# KiCad board Parallel.kicad_pcb (continued)
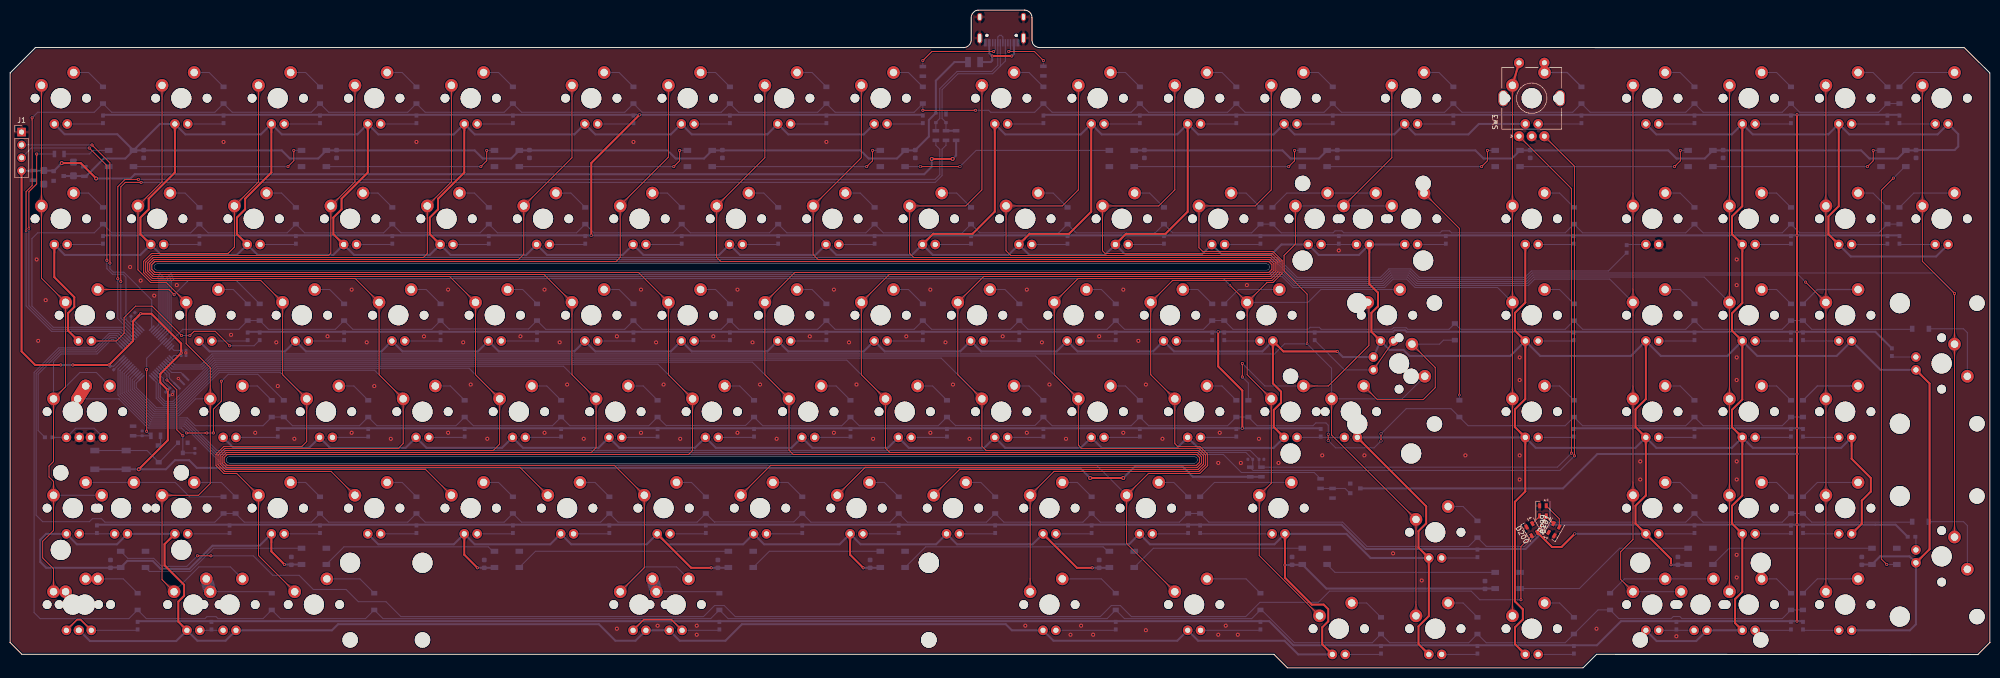
[diagram p0: board, top side]
## Copper pours and planes (outline as drawn; the poured copper is in the pictures) (continued)
Col1 on Bottom: 36.75,53.04 36.83,53.04 36.9,53.04 36.97,53.03 37.04,53.03 37.12,53.02 37.19,53.01 37.26,53 37.32,52.99 37.39,52.97 37.46,52.96 37.53,52.94 37.59,52.92 37.66,52.9 37.72,52.87 37.78,52.85 37.85,52.82 37.91,52.79 37.97,52.76 38.03,52.73 38.09,52.7 38.15,52.66 38.2,52.63 38.26,52.59 38.32,52.55 38.37,52.5 38.43,52.46 38.48,52.41 38.53,52.37 38.58,52.32 38.63,52.27 40.15,53.14 38.63,54.02 38.58,53.97 38.53,53.92 38.48,53.87 38.43,53.82 38.37,53.78 38.32,53.74 38.26,53.7 38.2,53.66 38.15,53.62 38.09,53.59 38.03,53.55 37.97,53.52 37.91,53.49 37.85,53.46 37.78,53.44 37.72,53.41 37.66,53.39 37.59,53.37 37.53,53.35 37.46,53.33 37.39,53.31 37.32,53.3 37.26,53.28 37.19,53.27 37.12,53.26 37.04,53.26 36.97,53.25 36.9,53.25 36.83,53.24 36.75,53.24
Col2 on Top: 49.15,31.32 49.15,31.39 49.16,31.46 49.16,31.54 49.17,31.61 49.17,31.68 49.18,31.75 49.19,31.82 49.21,31.89 49.22,31.96 49.24,32.02 49.26,32.09 49.28,32.16 49.3,32.22 49.32,32.29 49.35,32.35 49.37,32.41 49.4,32.47 49.43,32.53 49.46,32.59 49.5,32.65 49.53,32.71 49.57,32.77 49.61,32.82 49.65,32.88 49.69,32.94 49.73,32.99 49.78,33.04 49.83,33.1 49.88,33.15 49.93,33.2 49.05,34.72 48.18,33.2 48.23,33.15 48.28,33.1 48.32,33.04 48.37,32.99 48.41,32.94 48.46,32.88 48.5,32.82 48.54,32.77 48.57,32.71 48.61,32.65 48.64,32.59 48.67,32.53 48.7,32.47 48.73,32.41 48.76,32.35 48.78,32.29 48.81,32.22 48.83,32.16 48.85,32.09 48.87,32.02 48.88,31.96 48.9,31.89 48.91,31.82 48.92,31.75 48.93,31.68 48.94,31.61 48.94,31.54 48.95,31.46 48.95,31.39 48.95,31.32
Col2 on Top: 54.16,16.93 54.21,16.88 54.26,16.83 54.31,16.77 54.36,16.72 54.4,16.66 54.45,16.6 54.49,16.55 54.53,16.49 54.57,16.43 54.6,16.37 54.64,16.31 54.67,16.25 54.7,16.19 54.73,16.13 54.76,16.07 54.78,16 54.8,15.94 54.83,15.88 54.85,15.81 54.86,15.75 54.88,15.68 54.89,15.61 54.91,15.54 54.92,15.48 54.93,15.41 54.93,15.34 54.94,15.27 54.94,15.2 54.95,15.13 54.95,15.05 56.64,14.6 56.18,16.29 56.11,16.29 56.04,16.29 55.97,16.3 55.9,16.3 55.83,16.31 55.76,16.32 55.69,16.33 55.63,16.34 55.56,16.36 55.49,16.37 55.43,16.39 55.36,16.41 55.3,16.43 55.23,16.46 55.17,16.48 55.11,16.51 55.05,16.54 54.99,16.57 54.93,16.6 54.87,16.64 54.81,16.67 54.75,16.71 54.69,16.75 54.63,16.79 54.58,16.83 54.52,16.88 54.47,16.92 54.41,16.97 54.36,17.02 54.3,17.08
Col2 on Top: 47.02,35.98 47.07,35.93 47.12,35.88 47.17,35.82 47.22,35.77 47.26,35.71 47.3,35.65 47.35,35.6 47.39,35.54 47.42,35.48 47.46,35.42 47.49,35.36 47.53,35.3 47.56,35.24 47.58,35.18 47.61,35.12 47.64,35.05 47.66,34.99 47.68,34.93 47.7,34.86 47.72,34.8 47.74,34.73 47.75,34.66 47.76,34.59 47.77,34.53 47.78,34.46 47.79,34.39 47.8,34.32 47.8,34.25 47.8,34.18 47.8,34.1 49.49,33.65 49.04,35.34 48.97,35.34 48.9,35.34 48.83,35.35 48.76,35.35 48.69,35.36 48.62,35.37 48.55,35.38 48.48,35.39 48.41,35.41 48.35,35.42 48.28,35.44 48.22,35.46 48.15,35.48 48.09,35.51 48.03,35.53 47.96,35.56 47.9,35.59 47.84,35.62 47.78,35.65 47.72,35.69 47.66,35.72 47.6,35.76 47.55,35.8 47.49,35.84 47.43,35.88 47.38,35.93 47.32,35.97 47.27,36.02 47.21,36.07 47.16,36.13
Col2 on Top: 58.68,50.37 58.68,50.44 58.68,50.51 58.68,50.59 58.69,50.66 58.7,50.73 58.71,50.8 58.72,50.87 58.73,50.94 58.75,51.01 58.76,51.07 58.78,51.14 58.8,51.21 58.82,51.27 58.85,51.34 58.87,51.4 58.9,51.46 58.93,51.52 58.96,51.58 58.99,51.64 59.02,51.7 59.06,51.76 59.09,51.82 59.13,51.87 59.17,51.93 59.22,51.99 59.26,52.04 59.3,52.09 59.35,52.15 59.4,52.2 59.45,52.25 58.58,53.77 57.7,52.25 57.75,52.2 57.8,52.15 57.85,52.09 57.9,52.04 57.94,51.99 57.98,51.93 58.02,51.87 58.06,51.82 58.1,51.76 58.13,51.7 58.17,51.64 58.2,51.58 58.23,51.52 58.26,51.46 58.28,51.4 58.31,51.34 58.33,51.27 58.35,51.21 58.37,51.14 58.39,51.07 58.41,51.01 58.42,50.94 58.44,50.87 58.45,50.8 58.46,50.73 58.46,50.66 58.47,50.59 58.47,50.51 58.48,50.44 58.48,50.37
Col2 on Top: 49.15,112.28 49.15,112.35 49.16,112.43 49.16,112.5 49.17,112.57 49.17,112.64 49.18,112.71 49.19,112.78 49.21,112.85 49.22,112.92 49.24,112.99 49.26,113.05 49.28,113.12 49.3,113.18 49.32,113.25 49.35,113.31 49.37,113.37 49.4,113.43 49.43,113.5 49.46,113.56 49.5,113.61 49.53,113.67 49.57,113.73 49.61,113.79 49.65,113.84 49.69,113.9 49.73,113.95 49.78,114.01 49.83,114.06 49.88,114.11 49.93,114.16 49.05,115.68 48.18,114.16 48.23,114.11 48.28,114.06 48.32,114.01 48.37,113.95 48.41,113.9 48.46,113.84 48.5,113.79 48.54,113.73 48.57,113.67 48.61,113.61 48.64,113.56 48.67,113.5 48.7,113.43 48.73,113.37 48.76,113.31 48.78,113.25 48.81,113.18 48.83,113.12 48.85,113.05 48.87,112.99 48.88,112.92 48.9,112.85 48.91,112.78 48.92,112.71 48.93,112.64 48.94,112.57 48.94,112.5 48.95,112.43 48.95,112.35 48.95,112.28
Col2 on Top: 46.18,93.28 46.13,93.22 46.07,93.17 46.02,93.12 45.97,93.08 45.91,93.03 45.85,92.99 45.8,92.95 45.74,92.91 45.68,92.87 45.62,92.84 45.56,92.8 45.5,92.77 45.44,92.74 45.38,92.71 45.31,92.68 45.25,92.66 45.19,92.63 45.12,92.61 45.06,92.59 44.99,92.57 44.93,92.56 44.86,92.54 44.79,92.53 44.72,92.52 44.66,92.51 44.59,92.5 44.52,92.5 44.45,92.49 44.37,92.49 44.3,92.49 43.85,90.8 45.54,91.25 45.54,91.33 45.54,91.4 45.55,91.47 45.55,91.54 45.56,91.61 45.57,91.68 45.58,91.74 45.59,91.81 45.61,91.88 45.62,91.95 45.64,92.01 45.66,92.08 45.68,92.14 45.71,92.2 45.73,92.27 45.76,92.33 45.79,92.39 45.82,92.45 45.85,92.51 45.88,92.57 45.92,92.63 45.96,92.69 46,92.75 46.04,92.8 46.08,92.86 46.13,92.92 46.17,92.97 46.22,93.03 46.27,93.08 46.32,93.13
Col2 on Top: 53.91,69.42 53.92,69.49 53.92,69.56 53.92,69.64 53.93,69.71 53.94,69.78 53.95,69.85 53.96,69.92 53.97,69.99 53.98,70.06 54,70.12 54.02,70.19 54.04,70.26 54.06,70.32 54.08,70.39 54.11,70.45 54.14,70.51 54.16,70.57 54.19,70.63 54.23,70.69 54.26,70.75 54.29,70.81 54.33,70.87 54.37,70.92 54.41,70.98 54.45,71.04 54.5,71.09 54.54,71.14 54.59,71.2 54.64,71.25 54.69,71.3 53.81,72.82 52.94,71.3 52.99,71.25 53.04,71.2 53.09,71.14 53.13,71.09 53.18,71.04 53.22,70.98 53.26,70.92 53.3,70.87 53.34,70.81 53.37,70.75 53.4,70.69 53.44,70.63 53.47,70.57 53.49,70.51 53.52,70.45 53.55,70.39 53.57,70.32 53.59,70.26 53.61,70.19 53.63,70.12 53.65,70.06 53.66,69.99 53.67,69.92 53.68,69.85 53.69,69.78 53.7,69.71 53.71,69.64 53.71,69.56 53.71,69.49 53.71,69.42
Col2 on Top: 56.54,55.03 56.6,54.98 56.65,54.93 56.69,54.87 56.74,54.82 56.79,54.76 56.83,54.7 56.87,54.65 56.91,54.59 56.95,54.53 56.98,54.47 57.02,54.41 57.05,54.35 57.08,54.29 57.11,54.23 57.14,54.17 57.16,54.1 57.19,54.04 57.21,53.98 57.23,53.91 57.25,53.85 57.26,53.78 57.28,53.71 57.29,53.64 57.3,53.58 57.31,53.51 57.32,53.44 57.32,53.37 57.33,53.3 57.33,53.23 57.33,53.15 59.02,52.7 58.56,54.39 58.49,54.39 58.42,54.39 58.35,54.4 58.28,54.4 58.21,54.41 58.14,54.42 58.07,54.43 58.01,54.44 57.94,54.46 57.87,54.47 57.81,54.49 57.74,54.51 57.68,54.53 57.62,54.56 57.55,54.58 57.49,54.61 57.43,54.64 57.37,54.67 57.31,54.7 57.25,54.74 57.19,54.77 57.13,54.81 57.07,54.85 57.01,54.89 56.96,54.93 56.9,54.98 56.85,55.02 56.79,55.07 56.74,55.12 56.68,55.18
Col2 on Top: 44.39,88.47 44.39,88.54 44.39,88.61 44.4,88.69 44.4,88.76 44.41,88.83 44.42,88.9 44.43,88.97 44.44,89.04 44.46,89.11 44.48,89.17 44.49,89.24 44.51,89.31 44.54,89.37 44.56,89.44 44.58,89.5 44.61,89.56 44.64,89.62 44.67,89.68 44.7,89.74 44.73,89.8 44.77,89.86 44.81,89.92 44.85,89.97 44.89,90.03 44.93,90.09 44.97,90.14 45.02,90.19 45.06,90.25 45.11,90.3 45.16,90.35 44.29,91.87 43.41,90.35 43.47,90.3 43.51,90.25 43.56,90.19 43.61,90.14 43.65,90.09 43.69,90.03 43.73,89.97 43.77,89.92 43.81,89.86 43.85,89.8 43.88,89.74 43.91,89.68 43.94,89.62 43.97,89.56 44,89.5 44.02,89.44 44.04,89.37 44.07,89.31 44.09,89.24 44.1,89.17 44.12,89.11 44.13,89.04 44.15,88.97 44.16,88.9 44.17,88.83 44.18,88.76 44.18,88.69 44.19,88.61 44.19,88.54 44.19,88.47
Col2 on Top: 51.78,74.08 51.83,74.03 51.88,73.98 51.93,73.92 51.98,73.87 52.02,73.81 52.07,73.75 52.11,73.7 52.15,73.64 52.19,73.58 52.22,73.52 52.26,73.46 52.29,73.4 52.32,73.34 52.35,73.28 52.37,73.22 52.4,73.15 52.42,73.09 52.44,73.03 52.46,72.96 52.48,72.9 52.5,72.83 52.51,72.76 52.53,72.69 52.54,72.63 52.55,72.56 52.55,72.49 52.56,72.42 52.56,72.35 52.56,72.28 52.56,72.2 54.26,71.75 53.8,73.44 53.73,73.44 53.66,73.44 53.59,73.45 53.52,73.45 53.45,73.46 53.38,73.47 53.31,73.48 53.24,73.49 53.18,73.51 53.11,73.52 53.05,73.54 52.98,73.56 52.92,73.58 52.85,73.61 52.79,73.63 52.73,73.66 52.67,73.69 52.6,73.72 52.54,73.75 52.48,73.79 52.43,73.82 52.37,73.86 52.31,73.9 52.25,73.94 52.2,73.98 52.14,74.03 52.08,74.07 52.03,74.12 51.98,74.17 51.92,74.23
Col2 on Bottom: 56.54,55.03 56.6,54.98 56.65,54.93 56.69,54.87 56.74,54.82 56.79,54.76 56.83,54.7 56.87,54.65 56.91,54.59 56.95,54.53 56.98,54.47 57.02,54.41 57.05,54.35 57.08,54.29 57.11,54.23 57.14,54.17 57.16,54.1 57.19,54.04 57.21,53.98 57.23,53.91 57.25,53.85 57.26,53.78 57.28,53.71 57.29,53.64 57.3,53.58 57.31,53.51 57.32,53.44 57.32,53.37 57.33,53.3 57.33,53.23 57.33,53.15 59.02,52.7 58.56,54.39 58.49,54.39 58.42,54.39 58.35,54.4 58.28,54.4 58.21,54.41 58.14,54.42 58.07,54.43 58.01,54.44 57.94,54.46 57.87,54.47 57.81,54.49 57.74,54.51 57.68,54.53 57.62,54.56 57.55,54.58 57.49,54.61 57.43,54.64 57.37,54.67 57.31,54.7 57.25,54.74 57.19,54.77 57.13,54.81 57.07,54.85 57.01,54.89 56.96,54.93 56.9,54.98 56.85,55.02 56.79,55.07 56.74,55.12 56.68,55.18
Col3 on Top: 66.07,35.98 66.12,35.93 66.17,35.88 66.22,35.82 66.27,35.77 66.31,35.71 66.35,35.65 66.4,35.6 66.44,35.54 66.47,35.48 66.51,35.42 66.54,35.36 66.58,35.3 66.61,35.24 66.63,35.18 66.66,35.12 66.69,35.05 66.71,34.99 66.73,34.93 66.75,34.86 66.77,34.8 66.79,34.73 66.8,34.66 66.81,34.59 66.82,34.53 66.83,34.46 66.84,34.39 66.85,34.32 66.85,34.25 66.85,34.18 66.85,34.1 68.54,33.65 68.09,35.34 68.02,35.34 67.95,35.34 67.88,35.35 67.81,35.35 67.74,35.36 67.67,35.37 67.6,35.38 67.53,35.39 67.46,35.41 67.4,35.42 67.33,35.44 67.27,35.46 67.2,35.48 67.14,35.51 67.08,35.53 67.02,35.56 66.95,35.59 66.89,35.62 66.83,35.65 66.77,35.69 66.71,35.72 66.65,35.76 66.6,35.8 66.54,35.84 66.48,35.88 66.43,35.93 66.37,35.97 66.32,36.02 66.26,36.07 66.21,36.13
Col3 on Top: 77.73,50.37 77.73,50.44 77.73,50.51 77.73,50.59 77.74,50.66 77.75,50.73 77.76,50.8 77.77,50.87 77.78,50.94 77.8,51.01 77.81,51.07 77.83,51.14 77.85,51.21 77.87,51.27 77.9,51.34 77.92,51.4 77.95,51.46 77.98,51.52 78.01,51.58 78.04,51.64 78.07,51.7 78.11,51.76 78.14,51.82 78.18,51.87 78.22,51.93 78.27,51.99 78.31,52.04 78.35,52.09 78.4,52.15 78.45,52.2 78.5,52.25 77.63,53.77 76.75,52.25 76.8,52.2 76.85,52.15 76.9,52.09 76.95,52.04 76.99,51.99 77.03,51.93 77.07,51.87 77.11,51.82 77.15,51.76 77.18,51.7 77.22,51.64 77.25,51.58 77.28,51.52 77.31,51.46 77.33,51.4 77.36,51.34 77.38,51.27 77.4,51.21 77.42,51.14 77.44,51.07 77.46,51.01 77.47,50.94 77.49,50.87 77.5,50.8 77.51,50.73 77.51,50.66 77.52,50.59 77.52,50.51 77.53,50.44 77.53,50.37
Col3 on Top: 68.2,112.28 68.2,112.35 68.21,112.43 68.21,112.5 68.22,112.57 68.22,112.64 68.23,112.71 68.24,112.78 68.26,112.85 68.27,112.92 68.29,112.99 68.31,113.05 68.33,113.12 68.35,113.18 68.37,113.25 68.4,113.31 68.42,113.37 68.45,113.43 68.48,113.5 68.51,113.56 68.55,113.61 68.58,113.67 68.62,113.73 68.66,113.79 68.7,113.84 68.74,113.9 68.78,113.95 68.83,114.01 68.88,114.06 68.93,114.11 68.98,114.16 68.1,115.68 67.23,114.16 67.28,114.11 67.33,114.06 67.37,114.01 67.42,113.95 67.46,113.9 67.51,113.84 67.55,113.79 67.59,113.73 67.62,113.67 67.66,113.61 67.69,113.56 67.72,113.5 67.75,113.43 67.78,113.37 67.81,113.31 67.83,113.25 67.86,113.18 67.88,113.12 67.9,113.05 67.92,112.99 67.93,112.92 67.95,112.85 67.96,112.78 67.97,112.71 67.98,112.64 67.99,112.57 67.99,112.5 68,112.43 68,112.35 68,112.28
Col3 on Top: 65.23,93.28 65.18,93.22 65.12,93.17 65.07,93.12 65.02,93.08 64.96,93.03 64.9,92.99 64.85,92.95 64.79,92.91 64.73,92.87 64.67,92.84 64.61,92.8 64.55,92.77 64.49,92.74 64.43,92.71 64.36,92.68 64.3,92.66 64.24,92.63 64.17,92.61 64.11,92.59 64.04,92.57 63.98,92.56 63.91,92.54 63.84,92.53 63.77,92.52 63.71,92.51 63.64,92.5 63.57,92.5 63.5,92.49 63.42,92.49 63.35,92.49 62.9,90.8 64.59,91.25 64.59,91.33 64.59,91.4 64.6,91.47 64.6,91.54 64.61,91.61 64.62,91.68 64.63,91.74 64.64,91.81 64.66,91.88 64.67,91.95 64.69,92.01 64.71,92.08 64.73,92.14 64.76,92.2 64.78,92.27 64.81,92.33 64.84,92.39 64.87,92.45 64.9,92.51 64.93,92.57 64.97,92.63 65.01,92.69 65.05,92.75 65.09,92.8 65.13,92.86 65.18,92.92 65.22,92.97 65.27,93.03 65.32,93.08 65.37,93.13
Col3 on Top: 72.96,69.42 72.97,69.49 72.97,69.56 72.97,69.64 72.98,69.71 72.99,69.78 73,69.85 73.01,69.92 73.02,69.99 73.03,70.06 73.05,70.12 73.07,70.19 73.09,70.26 73.11,70.32 73.13,70.39 73.16,70.45 73.19,70.51 73.21,70.57 73.24,70.63 73.28,70.69 73.31,70.75 73.34,70.81 73.38,70.87 73.42,70.92 73.46,70.98 73.5,71.04 73.55,71.09 73.59,71.14 73.64,71.2 73.69,71.25 73.74,71.3 72.86,72.82 71.99,71.3 72.04,71.25 72.09,71.2 72.14,71.14 72.18,71.09 72.23,71.04 72.27,70.98 72.31,70.92 72.35,70.87 72.38,70.81 72.42,70.75 72.45,70.69 72.49,70.63 72.52,70.57 72.54,70.51 72.57,70.45 72.6,70.39 72.62,70.32 72.64,70.26 72.66,70.19 72.68,70.12 72.69,70.06 72.71,69.99 72.72,69.92 72.73,69.85 72.74,69.78 72.75,69.71 72.76,69.64 72.76,69.56 72.76,69.49 72.76,69.42
Col3 on Top: 75.59,55.03 75.65,54.98 75.7,54.93 75.74,54.87 75.79,54.82 75.84,54.76 75.88,54.7 75.92,54.65 75.96,54.59 76,54.53 76.03,54.47 76.07,54.41 76.1,54.35 76.13,54.29 76.16,54.23 76.19,54.17 76.21,54.1 76.24,54.04 76.26,53.98 76.28,53.91 76.3,53.85 76.31,53.78 76.33,53.71 76.34,53.64 76.35,53.58 76.36,53.51 76.37,53.44 76.37,53.37 76.38,53.3 76.38,53.23 76.38,53.15 78.07,52.7 77.61,54.39 77.54,54.39 77.47,54.39 77.4,54.4 77.33,54.4 77.26,54.41 77.19,54.42 77.12,54.43 77.06,54.44 76.99,54.46 76.92,54.47 76.86,54.49 76.79,54.51 76.73,54.53 76.67,54.56 76.6,54.58 76.54,54.61 76.48,54.64 76.42,54.67 76.36,54.7 76.3,54.74 76.24,54.77 76.18,54.81 76.12,54.85 76.06,54.89 76.01,54.93 75.95,54.98 75.9,55.02 75.84,55.07 75.79,55.12 75.73,55.18
Col3 on Top: 63.44,88.47 63.44,88.54 63.44,88.61 63.45,88.69 63.45,88.76 63.46,88.83 63.47,88.9 63.48,88.97 63.49,89.04 63.51,89.11 63.53,89.17 63.54,89.24 63.56,89.31 63.59,89.37 63.61,89.44 63.63,89.5 63.66,89.56 63.69,89.62 63.72,89.68 63.75,89.74 63.78,89.8 63.82,89.86 63.86,89.92 63.9,89.97 63.94,90.03 63.98,90.09 64.02,90.14 64.07,90.19 64.11,90.25 64.16,90.3 64.21,90.35 63.34,91.87 62.46,90.35 62.52,90.3 62.56,90.25 62.61,90.19 62.66,90.14 62.7,90.09 62.74,90.03 62.78,89.97 62.82,89.92 62.86,89.86 62.9,89.8 62.93,89.74 62.96,89.68 62.99,89.62 63.02,89.56 63.05,89.5 63.07,89.44 63.09,89.37 63.12,89.31 63.14,89.24 63.15,89.17 63.17,89.11 63.18,89.04 63.2,88.97 63.21,88.9 63.22,88.83 63.23,88.76 63.23,88.69 63.24,88.61 63.24,88.54 63.24,88.47
Col3 on Top: 70.83,74.08 70.88,74.03 70.93,73.98 70.98,73.92 71.03,73.87 71.07,73.81 71.12,73.75 71.16,73.7 71.2,73.64 71.24,73.58 71.27,73.52 71.31,73.46 71.34,73.4 71.37,73.34 71.4,73.28 71.42,73.22 71.45,73.15 71.47,73.09 71.49,73.03 71.51,72.96 71.53,72.9 71.55,72.83 71.56,72.76 71.58,72.69 71.59,72.63 71.6,72.56 71.6,72.49 71.61,72.42 71.61,72.35 71.61,72.28 71.61,72.2 73.31,71.75 72.85,73.44 72.78,73.44 72.71,73.44 72.64,73.45 72.57,73.45 72.5,73.46 72.43,73.47 72.36,73.48 72.29,73.49 72.23,73.51 72.16,73.52 72.1,73.54 72.03,73.56 71.97,73.58 71.9,73.61 71.84,73.63 71.78,73.66 71.72,73.69 71.65,73.72 71.59,73.75 71.53,73.79 71.48,73.82 71.42,73.86 71.36,73.9 71.3,73.94 71.25,73.98 71.19,74.03 71.13,74.07 71.08,74.12 71.03,74.17 70.97,74.23
Col3 on Bottom: 75.59,55.03 75.65,54.98 75.7,54.93 75.74,54.87 75.79,54.82 75.84,54.76 75.88,54.7 75.92,54.65 75.96,54.59 76,54.53 76.03,54.47 76.07,54.41 76.1,54.35 76.13,54.29 76.16,54.23 76.19,54.17 76.21,54.1 76.24,54.04 76.26,53.98 76.28,53.91 76.3,53.85 76.31,53.78 76.33,53.71 76.34,53.64 76.35,53.58 76.36,53.51 76.37,53.44 76.37,53.37 76.38,53.3 76.38,53.23 76.38,53.15 78.07,52.7 77.61,54.39 77.54,54.39 77.47,54.39 77.4,54.4 77.33,54.4 77.26,54.41 77.19,54.42 77.12,54.43 77.06,54.44 76.99,54.46 76.92,54.47 76.86,54.49 76.79,54.51 76.73,54.53 76.67,54.56 76.6,54.58 76.54,54.61 76.48,54.64 76.42,54.67 76.36,54.7 76.3,54.74 76.24,54.77 76.18,54.81 76.12,54.85 76.06,54.89 76.01,54.93 75.95,54.98 75.9,55.02 75.84,55.07 75.79,55.12 75.73,55.18
Col4 on Top: 85.12,35.98 85.17,35.93 85.22,35.88 85.27,35.82 85.32,35.77 85.36,35.71 85.4,35.65 85.45,35.6 85.49,35.54 85.52,35.48 85.56,35.42 85.59,35.36 85.63,35.3 85.66,35.24 85.68,35.18 85.71,35.12 85.74,35.05 85.76,34.99 85.78,34.93 85.8,34.86 85.82,34.8 85.84,34.73 85.85,34.66 85.86,34.59 85.87,34.53 85.88,34.46 85.89,34.39 85.9,34.32 85.9,34.25 85.9,34.18 85.9,34.1 87.59,33.65 87.14,35.34 87.07,35.34 87,35.34 86.93,35.35 86.86,35.35 86.79,35.36 86.72,35.37 86.65,35.38 86.58,35.39 86.52,35.41 86.45,35.42 86.38,35.44 86.32,35.46 86.25,35.48 86.19,35.51 86.13,35.53 86.07,35.56 86,35.59 85.94,35.62 85.88,35.65 85.82,35.69 85.76,35.72 85.7,35.76 85.65,35.8 85.59,35.84 85.53,35.88 85.48,35.93 85.42,35.97 85.37,36.02 85.31,36.07 85.26,36.13
Col4 on Top: 96.78,50.37 96.78,50.44 96.78,50.51 96.78,50.59 96.79,50.66 96.8,50.73 96.81,50.8 96.82,50.87 96.83,50.94 96.85,51.01 96.86,51.07 96.88,51.14 96.9,51.21 96.92,51.27 96.95,51.34 96.97,51.4 97,51.46 97.03,51.52 97.06,51.58 97.09,51.64 97.12,51.7 97.16,51.76 97.19,51.82 97.23,51.87 97.27,51.93 97.32,51.99 97.36,52.04 97.4,52.09 97.45,52.15 97.5,52.2 97.55,52.25 96.68,53.77 95.8,52.25 95.85,52.2 95.9,52.15 95.95,52.09 96,52.04 96.04,51.99 96.08,51.93 96.12,51.87 96.16,51.82 96.2,51.76 96.23,51.7 96.27,51.64 96.3,51.58 96.33,51.52 96.36,51.46 96.38,51.4 96.41,51.34 96.43,51.27 96.45,51.21 96.47,51.14 96.49,51.07 96.51,51.01 96.52,50.94 96.54,50.87 96.55,50.8 96.56,50.73 96.56,50.66 96.57,50.59 96.57,50.51 96.58,50.44 96.58,50.37
Col4 on Top: 89.88,74.08 89.93,74.03 89.98,73.98 90.03,73.92 90.08,73.87 90.12,73.81 90.17,73.75 90.21,73.7 90.25,73.64 90.29,73.58 90.32,73.52 90.36,73.46 90.39,73.4 90.42,73.34 90.45,73.28 90.47,73.22 90.5,73.15 90.52,73.09 90.54,73.03 90.56,72.96 90.58,72.9 90.6,72.83 90.61,72.76 90.63,72.69 90.64,72.63 90.65,72.56 90.65,72.49 90.66,72.42 90.66,72.35 90.66,72.28 90.66,72.2 92.36,71.75 91.9,73.44 91.83,73.44 91.76,73.44 91.69,73.45 91.62,73.45 91.55,73.46 91.48,73.47 91.41,73.48 91.34,73.49 91.28,73.51 91.21,73.52 91.15,73.54 91.08,73.56 91.02,73.58 90.95,73.61 90.89,73.63 90.83,73.66 90.77,73.69 90.7,73.72 90.64,73.75 90.58,73.79 90.53,73.82 90.47,73.86 90.41,73.9 90.35,73.94 90.3,73.98 90.24,74.03 90.18,74.07 90.13,74.12 90.08,74.17 90.02,74.23
Col4 on Top: 82.49,88.47 82.49,88.54 82.49,88.61 82.5,88.69 82.5,88.76 82.51,88.83 82.52,88.9 82.53,88.97 82.54,89.04 82.56,89.11 82.58,89.17 82.59,89.24 82.61,89.31 82.64,89.37 82.66,89.44 82.68,89.5 82.71,89.56 82.74,89.62 82.77,89.68 82.8,89.74 82.83,89.8 82.87,89.86 82.91,89.92 82.95,89.97 82.99,90.03 83.03,90.09 83.07,90.14 83.12,90.19 83.16,90.25 83.21,90.3 83.26,90.35 82.39,91.87 81.51,90.35 81.57,90.3 81.61,90.25 81.66,90.19 81.71,90.14 81.75,90.09 81.79,90.03 81.83,89.97 81.87,89.92 81.91,89.86 81.95,89.8 81.98,89.74 82.01,89.68 82.04,89.62 82.07,89.56 82.1,89.5 82.12,89.44 82.14,89.37 82.17,89.31 82.19,89.24 82.2,89.17 82.22,89.11 82.23,89.04 82.25,88.97 82.26,88.9 82.27,88.83 82.28,88.76 82.28,88.69 82.29,88.61 82.29,88.54 82.29,88.47
Col4 on Top: 87.25,112.28 87.25,112.35 87.26,112.43 87.26,112.5 87.27,112.57 87.27,112.64 87.28,112.71 87.29,112.78 87.31,112.85 87.32,112.92 87.34,112.99 87.36,113.05 87.38,113.12 87.4,113.18 87.42,113.25 87.45,113.31 87.47,113.37 87.5,113.43 87.53,113.5 87.56,113.56 87.6,113.61 87.63,113.67 87.67,113.73 87.71,113.79 87.75,113.84 87.79,113.9 87.83,113.95 87.88,114.01 87.93,114.06 87.98,114.11 88.03,114.16 87.15,115.68 86.28,114.16 86.33,114.11 86.38,114.06 86.42,114.01 86.47,113.95 86.51,113.9 86.56,113.84 86.6,113.79 86.64,113.73 86.67,113.67 86.71,113.61 86.74,113.56 86.77,113.5 86.8,113.43 86.83,113.37 86.86,113.31 86.88,113.25 86.91,113.18 86.93,113.12 86.95,113.05 86.97,112.99 86.98,112.92 87,112.85 87.01,112.78 87.02,112.71 87.03,112.64 87.04,112.57 87.04,112.5 87.05,112.43 87.05,112.35 87.05,112.28
Col4 on Top: 84.28,93.28 84.23,93.22 84.17,93.17 84.12,93.12 84.07,93.08 84.01,93.03 83.95,92.99 83.9,92.95 83.84,92.91 83.78,92.87 83.72,92.84 83.66,92.8 83.6,92.77 83.54,92.74 83.48,92.71 83.41,92.68 83.35,92.66 83.29,92.63 83.22,92.61 83.16,92.59 83.09,92.57 83.03,92.56 82.96,92.54 82.89,92.53 82.82,92.52 82.76,92.51 82.69,92.5 82.62,92.5 82.55,92.49 82.47,92.49 82.4,92.49 81.95,90.8 83.64,91.25 83.64,91.33 83.64,91.4 83.65,91.47 83.65,91.54 83.66,91.61 83.67,91.68 83.68,91.74 83.69,91.81 83.71,91.88 83.72,91.95 83.74,92.01 83.76,92.08 83.78,92.14 83.81,92.2 83.83,92.27 83.86,92.33 83.89,92.39 83.92,92.45 83.95,92.51 83.98,92.57 84.02,92.63 84.06,92.69 84.1,92.75 84.14,92.8 84.18,92.86 84.23,92.92 84.27,92.97 84.32,93.03 84.37,93.08 84.42,93.13
Col4 on Top: 92.01,69.42 92.02,69.49 92.02,69.56 92.02,69.64 92.03,69.71 92.04,69.78 92.05,69.85 92.06,69.92 92.07,69.99 92.08,70.06 92.1,70.12 92.12,70.19 92.14,70.26 92.16,70.32 92.18,70.39 92.21,70.45 92.24,70.51 92.26,70.57 92.29,70.63 92.33,70.69 92.36,70.75 92.39,70.81 92.43,70.87 92.47,70.92 92.51,70.98 92.55,71.04 92.6,71.09 92.64,71.14 92.69,71.2 92.74,71.25 92.79,71.3 91.91,72.82 91.04,71.3 91.09,71.25 91.14,71.2 91.19,71.14 91.23,71.09 91.28,71.04 91.32,70.98 91.36,70.92 91.4,70.87 91.43,70.81 91.47,70.75 91.5,70.69 91.54,70.63 91.57,70.57 91.59,70.51 91.62,70.45 91.65,70.39 91.67,70.32 91.69,70.26 91.71,70.19 91.73,70.12 91.74,70.06 91.76,69.99 91.77,69.92 91.78,69.85 91.79,69.78 91.8,69.71 91.81,69.64 91.81,69.56 91.81,69.49 91.81,69.42
Col4 on Top: 94.64,55.03 94.7,54.98 94.75,54.93 94.79,54.87 94.84,54.82 94.89,54.76 94.93,54.7 94.97,54.65 95.01,54.59 95.05,54.53 95.08,54.47 95.12,54.41 95.15,54.35 95.18,54.29 95.21,54.23 95.24,54.17 95.26,54.1 95.29,54.04 95.31,53.98 95.33,53.91 95.35,53.85 95.36,53.78 95.38,53.71 95.39,53.64 95.4,53.58 95.41,53.51 95.42,53.44 95.42,53.37 95.43,53.3 95.43,53.23 95.43,53.15 97.12,52.7 96.66,54.39 96.59,54.39 96.52,54.39 96.45,54.4 96.38,54.4 96.31,54.41 96.24,54.42 96.17,54.43 96.11,54.44 96.04,54.46 95.97,54.47 95.91,54.49 95.84,54.51 95.78,54.53 95.72,54.56 95.65,54.58 95.59,54.61 95.53,54.64 95.47,54.67 95.41,54.7 95.35,54.74 95.29,54.77 95.23,54.81 95.17,54.85 95.11,54.89 95.06,54.93 95,54.98 94.95,55.02 94.89,55.07 94.84,55.12 94.78,55.18
Col4 on Bottom: 94.64,55.03 94.7,54.98 94.75,54.93 94.79,54.87 94.84,54.82 94.89,54.76 94.93,54.7 94.97,54.65 95.01,54.59 95.05,54.53 95.08,54.47 95.12,54.41 95.15,54.35 95.18,54.29 95.21,54.23 95.24,54.17 95.26,54.1 95.29,54.04 95.31,53.98 95.33,53.91 95.35,53.85 95.36,53.78 95.38,53.71 95.39,53.64 95.4,53.58 95.41,53.51 95.42,53.44 95.42,53.37 95.43,53.3 95.43,53.23 95.43,53.15 97.12,52.7 96.66,54.39 96.59,54.39 96.52,54.39 96.45,54.4 96.38,54.4 96.31,54.41 96.24,54.42 96.17,54.43 96.11,54.44 96.04,54.46 95.97,54.47 95.91,54.49 95.84,54.51 95.78,54.53 95.72,54.56 95.65,54.58 95.59,54.61 95.53,54.64 95.47,54.67 95.41,54.7 95.35,54.74 95.29,54.77 95.23,54.81 95.17,54.85 95.11,54.89 95.06,54.93 95,54.98 94.95,55.02 94.89,55.07 94.84,55.12 94.78,55.18
Col5 on Top: 111.06,112.28 111.07,112.35 111.07,112.43 111.07,112.5 111.08,112.57 111.09,112.64 111.1,112.71 111.11,112.78 111.12,112.85 111.13,112.92 111.15,112.99 111.17,113.05 111.19,113.12 111.21,113.18 111.23,113.25 111.26,113.31 111.29,113.37 111.31,113.43 111.34,113.5 111.38,113.56 111.41,113.61 111.44,113.67 111.48,113.73 111.52,113.79 111.56,113.84 111.6,113.9 111.65,113.95 111.69,114.01 111.74,114.06 111.79,114.11 111.84,114.16 110.96,115.68 110.09,114.16 110.14,114.11 110.19,114.06 110.24,114.01 110.28,113.95 110.33,113.9 110.37,113.84 110.41,113.79 110.45,113.73 110.48,113.67 110.52,113.61 110.55,113.56 110.59,113.5 110.62,113.43 110.64,113.37 110.67,113.31 110.7,113.25 110.72,113.18 110.74,113.12 110.76,113.05 110.78,112.99 110.79,112.92 110.81,112.85 110.82,112.78 110.83,112.71 110.84,112.64 110.85,112.57 110.86,112.5 110.86,112.43 110.86,112.35 110.86,112.28
Col5 on Top: 103.33,93.28 103.28,93.22 103.22,93.17 103.17,93.12 103.12,93.08 103.06,93.03 103,92.99 102.95,92.95 102.89,92.91 102.83,92.87 102.77,92.84 102.71,92.8 102.65,92.77 102.59,92.74 102.53,92.71 102.46,92.68 102.4,92.66 102.34,92.63 102.27,92.61 102.21,92.59 102.14,92.57 102.08,92.56 102.01,92.54 101.94,92.53 101.87,92.52 101.81,92.51 101.74,92.5 101.67,92.5 101.6,92.49 101.52,92.49 101.45,92.49 101,90.8 102.69,91.25 102.69,91.33 102.69,91.4 102.7,91.47 102.7,91.54 102.71,91.61 102.72,91.68 102.73,91.74 102.74,91.81 102.76,91.88 102.77,91.95 102.79,92.01 102.81,92.08 102.83,92.14 102.86,92.2 102.88,92.27 102.91,92.33 102.94,92.39 102.97,92.45 103,92.51 103.03,92.57 103.07,92.63 103.11,92.69 103.15,92.75 103.19,92.8 103.23,92.86 103.28,92.92 103.32,92.97 103.37,93.03 103.42,93.08 103.47,93.13
